# KiCad board DemoBoy.kicad_pcb (continued)
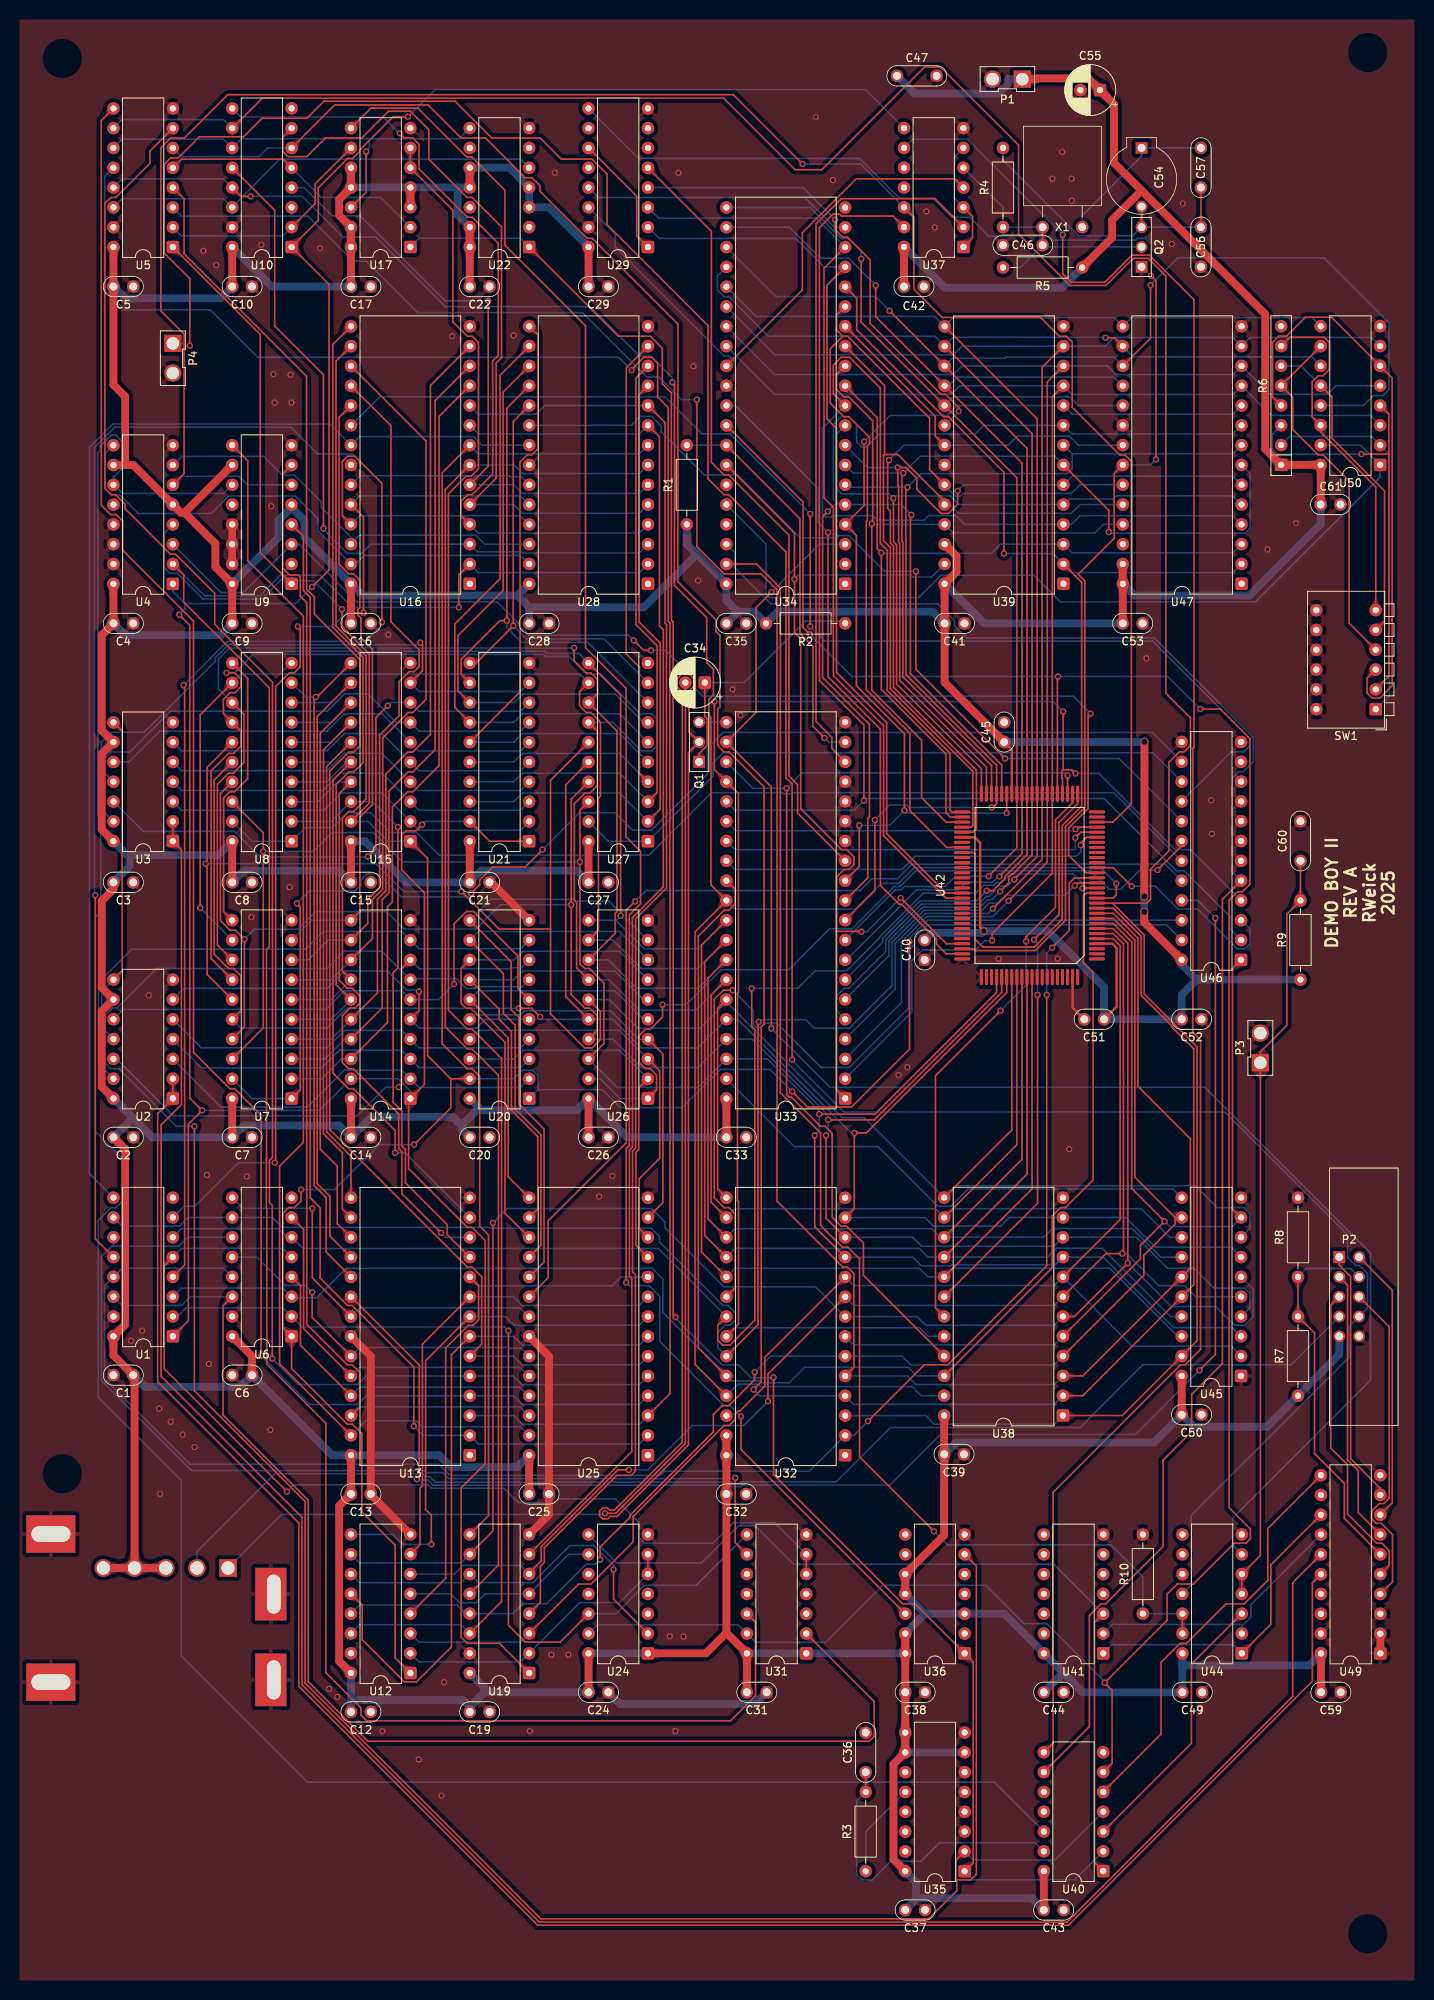
[diagram p0: board, top side]
## Nets (continued)
/RAM0-3.A10: U1.9 U16.21 U28.21
/RAM0-3.A11: U1.12 U16.23 U28.23
/RAM0-3.A12: U4.4 U16.2 U28.2
/RAM0-3.CE2: U4.7 U16.26 U28.26
/RAM0-3.~{WE}: U4.9 U16.27 U28.27
/RAM0.D0: U7.2 U14.18 U16.11
/RAM0.D1: U7.3 U14.17 U16.12
/RAM0.D2: U7.4 U14.16 U16.13
/RAM0.D3: U7.5 U14.15 U16.15
/RAM0.D4: U7.6 U14.14 U16.16
/RAM0.D5: U7.7 U14.13 U16.17
/RAM0.D6: U7.8 U14.12 U16.18
/RAM0.D7: U7.9 U14.11 U16.19
/RAM0.~{CE1}: U16.20 U46.16
/RAM1-2.A0: U12.4 U13.10 U25.10
/RAM1-2.A1: U12.7 U13.9 U25.9
/RAM1-2.A2: U12.9 U13.8 U25.8
/RAM1-2.A3: U12.12 U13.7 U25.7
/RAM1-2.A4: U5.4 U13.6 U25.6
/RAM1-2.A5: U5.7 U13.5 U25.5
/RAM1-2.A6: U5.9 U13.4 U25.4
/RAM1-2.A7: U5.12 U13.3 U25.3
/RAM1-2.A8: U6.4 U13.25 U25.25
/RAM1-2.A9: U6.7 U13.24 U25.24
/RAM1-2.A10: U6.9 U13.21 U25.21
/RAM1-2.A11: U6.12 U13.23 U25.23
/RAM1-2.A12: U9.4 U13.2 U25.2
/RAM1-2.CE2: U9.7 U13.26 U25.26
/RAM1-2.~{WE}: U9.9 U13.27 U25.27
/RAM1.D0: U20.18 U25.11 U26.2
/RAM1.D1: U20.17 U25.12 U26.3
/RAM1.D2: U20.16 U25.13 U26.4
/RAM1.D3: U20.15 U25.15 U26.5
/RAM1.D4: U20.14 U25.16 U26.6
/RAM1.D5: U20.13 U25.17 U26.7
/RAM1.D6: U20.12 U25.18 U26.8
/RAM1.D7: U20.11 U25.19 U26.9
/RAM1.~{CE1}: U25.20 U46.20
/RAM2.D0: U8.2 U13.11 U15.18
/RAM2.D1: U8.3 U13.12 U15.17
/RAM2.D2: U8.4 U13.13 U15.16
/RAM2.D3: U8.5 U13.15 U15.15
/RAM2.D4: U8.6 U13.16 U15.14
/RAM2.D5: U8.7 U13.17 U15.13
/RAM2.D6: U8.8 U13.18 U15.12
/RAM2.D7: U8.9 U13.19 U15.11
/RAM2.~{CE1}: U13.20 U46.21
/RAM3.D0: U21.18 U27.2 U28.11
/RAM3.D1: U21.17 U27.3 U28.12
/RAM3.D2: U21.16 U27.4 U28.13
/RAM3.D3: U21.15 U27.5 U28.15
/RAM3.D4: U21.14 U27.6 U28.16
/RAM3.D5: U21.13 U27.7 U28.17
/RAM3.D6: U21.12 U27.8 U28.18
/RAM3.D7: U21.11 U27.9 U28.19
/RAM3.~{CE1}: U28.20 U46.17
/RAM.A0.EN: U12.2 U19.2 U24.5 U24.6
/RAM.A1.EN: U12.5 U19.5 U24.9
/RAM.A2.EN: U12.11 U19.11 U24.2
/RAM.A3.EN: U12.14 U17.5 U17.6 U19.14
/RAM.A4.EN: U5.2 U10.2 U17.9
/RAM.A5.EN: U5.5 U10.5 U17.2
/RAM.A6.EN: U5.11 U10.11 U17.12 U22.8
/RAM.A7.EN: U5.14 U10.14 U22.5
/RAM.A8.EN: U1.2 U6.2 U24.12 U31.8
/RAM.A9.EN: U1.5 U6.5 U31.5 U31.6
/RAM.A10.EN: U1.11 U6.11 U31.9
/RAM.A11.EN: U1.14 U6.14 U31.2
/RAM.A12.EN: U4.2 U9.2 U31.12
/RAM.~{WE}.EN: U4.11 U9.11 U40.12
/S.Gameboy: U40.5 U49.11
/ST.Gameboy: U41.1 U44.1 U49.13
/System.Reset: C60.1 P3.1 R9.2 U44.4 U44.5
/U17.CP0: U17.8 U36.12
/Video_Out: Q1.3 U33.21
/~{IRQ}: U24.13 U31.13 U34.32 U40.6 U42.35
/~{NMI}: R1.2 U33.19 U34.33
/~{Reset}: U33.22 U34.3 U44.6
/~{ROMSEL}: U29.9 U42.78 U47.22
Net-(C36-Pad1): C36.1 R3.2 U40.13
Net-(C54-Pad1): C54.1 C57.1 X1.2
Net-(Q1-E): C34.1 Q1.1 R2.2
Net-(Q2-B): C54.2 C56.1 C57.2 Q2.3 R4.2
Net-(Q2-C): C46.1 Q2.2 R4.1 R5.2 U37.5 X1.1
Net-(R6-R1): R6.2 SW1.1 U50.2
Net-(R6-R2): R6.3 SW1.2 U50.4
Net-(R6-R3): R6.4 SW1.3 U50.6
Net-(R6-R4): R6.5 SW1.4 U50.10
Net-(R6-R5): R6.6 SW1.5 U50.12
Net-(R6-R6): R6.7 SW1.6 U50.14
Net-(U24-Cp0): U24.8 U40.1 U41.3
Net-(U29A-E): U29.1 U29.11
Net-(U37-Pad1): U37.1 U37.3 U37.6
Net-(U37-Pad9): U37.9 U40.8
Net-(U40-Pad3): U40.3 U44.3

Pads without a net: R6 8; U4 12; U9 12; U13 1; U16 1; U22 2 6 9 12; U24 3 4 10 11; U25 1; U28 1; U29 6 7 10 12; U31 3 4 10 11; U32 1 26; U34 1 2 35 37; U35 11 13 14 15; U36 2 4 5 8 9; U37 10 11; U39 1; U40 10 11; U41 4 5 6 8 9 10 11 12 13; U42 1 2 3 20 21 22 23 24 29 30 57 60 61 62 63 64 65 66 69 70 71 72 73 74 75 76 82 83 92 93 94 95 96 97 98 100; U44 8 9 10; U47 1 26; U49 12 17 18

## Via types
v1: diameter 1, hole 0.8, Top to Bottom, 3 vias
v2: diameter 1, hole 0.7, Top to Bottom, 1 via
v3: diameter 0.8, hole 0.5, Top to Bottom, 236 vias

## Routing (per net, layer and track width the routed paths; a pad name or vN(x,y) marks a point on that pad's centre or on a via; arc(x,y) is an arc through that point)
/+5V: length 1492.7
  Top w0.3: 127.83,153.32 127.83,158.37 126.85,159.34 ; U42.56 123.06,147.12 123.77,146.41 123.77,135.56 v2(124.24,135.09) ; C51.1 141.28,125.39 141.28,132.92 140.73,133.47 138.75,133.47
  Top w1: U22.11 U22.10 ; 15.26,53.78 15.26,77.97 C1.1 12.56,80.68 U1.16 14.06,84.62 14.06,107.14 C2.1 ; U24.1 88.58,42.46 91.21,45.09 ; 21.68,188.74 21.22,188.74 U4.5 15.1,194.86 14.06,194.86 ; 21.68,188.74 U9.10 ; 21.68,188.74 25.64,184.78 25.64,181.78 U9.16 C9.1 ; 14.06,194.86 U4.10 ; 14.06,194.86 14.06,203.64 12.56,205.15 C5.1 U5.16 ; U15.20 C15.1 ; U21.20 C21.1 ; v1(144.82,139.53) 144.82,140.32 144.82,140.32 144.82,143.35 144.84,143.37 v1(144.84,159.38) ; C24.1 U24.14 ; RF1.3 RF1.4 RF1.5 ; C16.1 U16.28 ; 144.47,230.08 140.7,226.31 140.7,224.04 R5.1 ; 144.47,230.08 140.94,233.61 140.94,241.15 C55.1 137.63,244.45 131.07,244.45 130.97,244.35 P1.1 ; 144.47,230.08 160.35,214.2 160.35,196.92 R6.1 U50.16 C61.1 ; U49.20 C59.1 ; C31.1 U31.14 91.21,45.09 ; U17.10 U17.11 41.52,228.93 41.52,226.89 43.04,225.37 U17.14 C17.1 ; C6.1 30.34,80.58 U6.16 ; U35.16 112.65,16.03 112.65,28.25 U35.10 U35.9 C38.1 U36.14 U36.13 ; U4.16 C4.1 11.06,173.05 11.06,160.82 U3.9 11.05,157.81 11.05,148.13 U3.14 ; U40.14 C43.1 ; 91.21,45.09 C32.1 U32.28 U32.27 ; U17.4 U17.3 ; 58.28,225.37 U22.14 C22.1 ; U47.27 U47.28 C53.1 ; U2.14 11.06,115.12 11.06,124.82 U2.9 11.06,127.82 11.06,138.96 12.56,140.46 C3.1 ; 126.85,159.34 119.21,166.99 C41.1 U39.28 120.73,181.15 120.73,183.19 U39.26 ; U46.24 144.82,136.2 v1(144.82,137.56) ; U14.20 C14.1 ; U45.20 C50.1 ; U25.28 C25.1 ; U33.40 C33.1 ; U7.20 C7.1 ; U12.16 41.52,41.45 41.52,61.37 C13.1 U13.28 ; U26.20 C26.1 ; U38.24 C39.1 119.15,57.61 U36.10 U36.11 ; U37.14 C42.1 ; U8.20 C8.1 ; C27.1 U27.20 ; U29.16 C29.1 ; U10.16 C10.1
  Bottom w1: 58.28,35.6 60.15,37.47 ; 58.28,35.6 C19.1 ; 58.28,35.6 57.41,36.46 43.04,36.46 ; 60.15,37.47 60.15,38.06 U19.16 ; 60.15,37.47 C24.1 ; C41.1 117.71,176.05 97.79,176.05 R2.1 94.79,176.05 92.65,176.05 ; 151.57,128.86 149.63,126.92 C52.1 C51.1 139.67,127.89 132.47,135.09 v2(124.24,135.09) 124.01,134.87 117.56,134.87 C40.1 ; 151.57,128.86 149.63,130.8 U46.24 ; 151.57,128.86 R9.1 ; 134.43,39.97 C44.1 ; 134.43,39.97 136.93,37.47 C49.1 149.72,40.92 ; 134.43,39.97 U41.14 126.86,47.54 U36.3 116.7,47.54 ; 35.39,189.41 37.06,187.74 37.06,185.6 U16.28 44.54,178.13 64.4,178.13 ; 35.39,189.41 35.42,189.44 U9.5 ; 35.39,189.41 33.75,187.77 33.75,185.57 U9.16 ; 65.91,176.62 80.62,176.62 87.42,183.42 ; 65.91,176.62 C28.1 ; 65.91,176.62 64.4,178.13 ; 92.65,176.05 92.65,175.99 C35.1 ; 92.65,176.05 91.21,177.5 U34.40 87.42,183.42 ; U3.14 14.61,144.56 ; 14.61,144.56 14.61,143.4 C3.1 ; 14.61,144.56 14.89,144.83 26.02,144.83 U8.20 ; U35.10 U35.7 ; U15.20 44.83,146.61 50.1,141.34 C21.1 59.79,142.85 72.01,142.85 C27.1 ; 64.4,178.13 U28.28 ; U35.16 115.55,13.13 115.55,11.05 ; C4.1 14.06,173.04 26.29,173.04 C9.1 ; C17.1 32.87,217.75 U10.16 ; C37.1 115.55,10.93 115.55,11.05 ; U31.14 U31.1 U36.14 ; 149.72,40.92 165.97,40.92 U49.20 ; 149.72,40.92 U44.14 ; 56.73,230.45 56.73,226.92 58.28,225.37 ; 56.73,230.45 U17.4 U17.11 ; 56.73,230.45 U22.11 ; 87.42,183.42 86.13,184.71 R1.1 ; U25.28 64.36,66.33 55.9,66.33 54.36,67.87 U13.28 40.61,67.87 C6.1 28.84,76.64 16.6,76.64 C1.1 ; 59.48,112.41 57.21,110.14 ; 59.48,112.41 U20.20 ; 59.48,112.41 59.78,112.11 72.01,112.11 U26.20 78.49,108.64 C33.1 ; 57.21,110.14 57.21,109.7 C20.1 ; 57.21,110.14 56.09,111.27 45.66,111.27 C14.1 41.52,110.16 29.31,110.16 C7.1 17.54,108.64 15.05,111.13 ; v1(144.84,159.38) 144.81,159.34 126.85,159.34 ; C53.1 124.29,174.55 U39.28 ; U12.16 43.04,36.46 ; 43.04,36.46 C12.1 ; C39.1 120.65,69.48 146.05,69.48 C50.1 151.17,71.52 160.57,71.52 R7.1 169.85,80.8 169.85,83.12 ; 15.05,111.13 U2.14 ; 15.05,111.13 C2.1 ; C5.1 14.06,216.25 26.3,216.25 C10.1 ; 115.55,11.05 130.42,11.05 C43.1 ; C47.1 115.37,242.5 126.08,242.5 127.37,243.79 127.37,244.35 P1.1 ; U47.28 143.58,178.12 158.29,178.12 167.47,187.29 C61.1 ; 116.7,47.54 U36.13 ; 116.7,47.54 U36.11 ; U24.1 U24.14 ; U37.14 119.24,217.59 134.26,217.59 R5.1 ; U22.10 63.36,232.99 U22.4 U22.3 68.43,227.91 U29.16 ; v1(144.82,137.56) v1(144.82,139.53) ; C15.1 41.53,142.84 29.3,142.84 C8.1
/GND: length 329.5
  Top w0.2: 85.54,165.75 85.54,69.53 76.82,60.82 76.21,60.82 75.91,61.12 75.33,61.12 74.92,60.71 74.92,60.13 75.33,59.72 75.98,59.72 76.28,60.02 77.16,60.02 86.34,69.2 86.34,157.97 Q1.2 86.39,160.65 86.39,165.86 87.04,166.5 87.04,167.42 86.39,168.06 85.48,168.06 84.84,167.42 84.84,166.45 85.54,165.75
  Top w0.3: C51.2 135.63,125.28 U42.99
  Top w1: 175.12,44.99 U49.1 ; U20.10 61.03,141.34 C21.2 ; U25.22 68.44,80.57 C25.2 68.44,60.25 U19.8 ; U9.13 U9.14 U9.15 ; U12.8 45.58,62.79 C13.2 45.58,80.57 U13.22
  Bottom w1: C31.2 94.86,35.96 77.57,35.96 C24.2
  vias: v3(14.82,82.55) v3(16.23,83.84) v3(17.1,126.84) v3(18.43,73.85) v3(18.53,62.92) v3(19.9,72.17) v3(21.44,70.51) v3(22.97,68.91) v3(24.08,222.34) v3(24.55,103.81) v3(24.8,79.58) v3(25.73,220.51) v3(29.68,103.64) v3(30.24,136.88) v3(31.54,223.11) v3(32.69,71.13) v3(32.8,189.57) v3(33.08,206.51) v3(33.23,202.87) v3(35.16,140.72) v3(35.28,206.43) v3(35.4,202.87) v3(39.06,222.65) v3(40.23,37.9) v3(41.28,36.87) v3(47.06,32.49) v3(47.83,173.11) v3(51.74,28.85) v3(54.64,24.21) v3(54.98,38.76) v3(56.01,211.39) v3(63.9,211.48) v3(65.99,32.5) v3(68.76,42.28) v3(69.19,232.35) v3(70.93,42.28) v3(74.86,101.04) v3(76.57,103.67) v3(83.93,44.65) v3(84.64,32.49) v3(85.06,232.33) v3(85.73,44.62) v3(86.98,207.54) v3(87.57,180.04) v3(92.01,166.09) v3(92.99,162.78) v3(102.69,239.5) v3(104.88,231.4) v3(113.28,116.63) v3(114.42,117.64) v3(116.87,227.38) v3(117.94,225.33) v3(126.13,131.53) v3(133.03,231.59) v3(133.71,131.55) v3(134.28,235.01) v3(135.2,107.13) v3(135.48,231.59) v3(135.52,228.75) v3(145.11,170.07) v3(148.35,223.2) v3(149.77,228.39) v3(153.41,151.86) v3(153.5,147.57) v3(160.64,184.03) v3(164.29,187.41)
/!(ST&CP).Gameboy: length 274.6
  Top w0.2: U22.1 77.35,211.38 81.45,211.38 82.98,209.84 82.98,205.28 84.14,204.12 84.14,174.99 84.37,174.76 84.37,85.87 v3(84.68,85.56) ; U35.1 122.88,15.62 122.88,41.36 U36.1 115.43,48.81 113.83,48.81 97.25,65.39 v3(97.25,77.87)
  Bottom w0.2: U22.1 64.79,223.94 51.77,223.94 U17.1 ; v3(97.25,77.87) 97.18,77.8 94.39,77.8 92.72,79.47 90.64,79.47 84.68,85.44 v3(84.68,85.56) ; U40.2 135.91,13.42 122.87,13.42 U35.1
/!RAM.~{WE}.EN: length 12.3
  Bottom w0.2: U35.12 109.08,19.6 R3.1
/CHR.A10: length 180.3
  Top w0.2: v3(136.89,140.57) 136.9,140.56 137.28,140.56 137.33,140.62 138.75,140.62 ; v3(94.45,127.76) 94.45,122.85 94.85,122.45 94.85,85.19 91.65,81.99 90.71,81.99 90.09,82.61 90.09,84.53 U32.21
  Bottom w0.2: U32.21 82.48,94.38 36.86,94.38 U6.6 34.85,95.82 33.74,96.92 21.28,96.92 U1.6 ; v3(94.45,127.76) 100.39,127.76 102.61,129.98 106.6,129.98 110.85,134.22 110.85,134.31 116.49,139.96 123.22,139.96 124.22,140.96 125.56,140.96 125.86,141.27 126.46,141.27 127.61,142.41 135.68,142.41 136.89,141.21 v3(136.89,140.57)
/CHR.A11: length 193.1
  Top w0.2: v3(135.89,140.92) 136.24,141.27 138.75,141.27 ; v3(95.34,123.44) 95.27,123.37 95.27,84.63 U32.23
  Bottom w0.2: v3(95.34,123.44) 95.62,123.73 101.4,123.73 102.5,122.63 106.96,122.63 112.45,128.13 112.45,133.64 112.86,134.04 112.86,134.05 116.56,137.76 124.02,137.76 124.93,138.66 125.95,138.66 126.97,139.68 134.65,139.68 v3(135.89,140.92) ; U32.23 90.1,81.68 90.1,83.61 91.03,84.55 91.68,84.55 92.36,85.23 92.36,86.13 91.4,87.09 90.74,87.09 82.63,95.2 82.63,95.9 81.57,96.97 60.96,96.97 60.84,97.09 34.23,97.09 32.96,98.36 U6.10 22.14,98.36 21.03,97.25 13.67,97.25 U1.10
/CHR.A12: length 220.9
  Top w0.2: v3(132.31,126.91) 132.31,92.17 119.62,79.48 116.62,79.48 v3(109.37,72.23) ; 138.75,141.92 135.88,141.92 135.19,141.23 135.19,135.16 v3(132.99,132.96)
  Bottom w0.2: v3(132.31,126.91) 132.31,132.28 v3(132.99,132.96) ; U6.13 26.69,91.84 13.66,91.84 U1.13 11.42,89.61 11.42,77.68 22.4,66.71 54.32,66.71 55.74,65.29 82.72,65.29 83.26,65.83 101.87,65.83 U32.2 107.55,70.41 v3(109.37,72.23)
/CHR.A13: length 157.3
  Top w0.2: v3(137.93,162.98) 137.61,162.66 137.61,150.79 137.4,150.58 137.38,150.58 135.12,148.31 135.12,144.81 137.36,142.57 139.48,142.57 ; v3(81.54,171.09) 80.6,171.09 v3(79.32,172.37)
  Bottom w0.2: v3(81.54,171.09) 83.42,171.09 87.12,167.39 87.12,166.28 88.18,165.22 135.7,165.22 v3(137.93,162.98) ; U4.3 26.37,178.5 29.22,178.5 U9.3 36.38,184.7 43.77,177.31 61.78,177.31 64.56,174.53 64.56,174.34 65.86,173.03 78.65,173.03 v3(79.32,172.37)
/CHR.A14: length 27
  Top w0.2: 139.48,143.22 140.83,143.22 143.22,140.83 v3(143.22,140.83)
  Bottom w0.2: U46.3 158.4,135.33 158.4,133.47 157.75,132.82 156.77,132.82 151.68,137.92 149.17,137.92 146.25,140.83 v3(143.22,140.83)
/CHR.ROM.~{CE}: length 119.4
  Top w0.2: v3(92.04,127.51) 90.81,127.51 89.65,126.35 89.65,100.88 90.91,99.62 91.56,99.62 92.33,98.85 92.33,89.32 U32.20
  Bottom w0.2: U46.23 147.68,135.89 117.02,135.89 115.4,134.27 115.4,133.46 114.59,132.65 114.59,125.22 106.97,117.6 103.36,117.6 97.66,123.29 96.18,123.29 95.63,122.74 95.05,122.74 94.64,123.15 94.64,124.91 v3(92.04,127.51)
/CIRAM.A10: length 74.8
  Top w0.2: U42.32 135.63,151.55 133.43,149.35 133.43,138.14 129.67,134.38 v3(129.67,133.76) ; v3(126.39,124.89) 118.03,116.53 118.03,86.78 U38.19
  Bottom w0.2: v3(126.39,124.89) 129.67,128.17 v3(129.67,133.76)
/CIRAM.~{CE}: length 72
  Top w0.2: v3(130.67,133.99) 133.9,137.21 133.9,149.04 136.28,151.42 U42.31 ; v3(131.13,126.91) 131.13,100.18 U38.18
  Bottom w0.2: v3(131.13,126.91) 131.13,133.53 v3(130.67,133.99)
/CP.Gameboy: length 35.3
  Bottom w0.2: 157.34,46.17 U44.2 ; 157.34,46.17 140.73,46.17 U41.2 ; 157.34,46.17 157.56,46.17 158.51,47.12 158.51,48.7 U49.14
/CPU.A0: length 133
  Top w0.2: v3(114.05,150.56) 114.05,160.38 107.89,166.55 107.89,185.81 U34.4 108.87,189.67 v3(108.87,197.86) ; v3(127.17,150.23) 127.18,150.23 U42.45 ; v3(108.24,148.66) 108.24,143.35 U33.12
  Bottom w0.2: v3(108.87,197.86) 112.23,201.22 119.56,201.22 120.31,201.96 120.31,202.08 120.72,202.49 U39.10 135.56,201.38 156.2,201.38 U47.10 ; v3(108.24,148.66) 108.26,148.64 112.14,148.64 v3(114.05,150.56) 114.39,150.23 v3(127.17,150.23)
/CPU.A1: length 174.5
  Top w0.2: U42.46 126.53,156.4 114.81,168.11 114.81,188.36 v3(114.94,188.48) ; v3(104.22,188.92) 103.55,188.25 103.55,167.62 109.56,161.6 109.56,149.81 109.36,149.6 109.36,141.93 U33.11
  Bottom w0.2: v3(114.94,188.48) 113.62,189.79 U34.5 105.68,189.79 105.39,190.08 ; U47.9 156.2,198.84 135.56,198.84 U39.9 124.24,199.95 123.12,198.84 110.84,198.84 109.15,197.15 108.59,197.15 107.93,197.82 107.93,200.06 106.92,201.07 105.97,201.07 104.93,200.03 104.93,190.54 105.39,190.08 ; 105.39,190.08 v3(104.22,188.92)
/CPU.A2: length 132.6
  Top w0.2: v3(110.26,149.35) 110.26,140.29 U33.10 ; v3(114.44,192.01) 114.23,191.81 114.23,185.22 114.25,185.21 114.25,167.97 125.88,156.35 125.88,151.41 125.5,151.03 125.32,151.03 v3(125.24,150.95)
  Bottom w0.2: 135.56,196.29 135.56,194.39 134.94,193.77 116.19,193.77 v3(114.44,192.01) 106.76,192.01 U34.6 ; 135.56,196.29 U39.8 ; 135.56,196.29 156.19,196.29 U47.8 ; v3(110.26,149.35) 112.17,151.26 114.34,151.26 114.66,150.95 v3(125.24,150.95)
/CPU.A3: length 113.8
  Top w0.2: U39.7 140.28,189.04 v3(140.28,186.26) ; v3(113.91,193.83) 113.73,193.66 113.73,185.06 113.85,184.95 113.85,167.7 125.23,156.33 U42.48
  Bottom w0.2: v3(140.28,186.26) 140.42,186.12 157.79,186.12 158.41,186.74 158.41,193.77 U47.7 ; U39.7 133.34,195.98 116.05,195.98 v3(113.91,193.83) 107.48,193.83 U34.7
/CPU.A4: length 105.3
  Top w0.2: U42.49 124.58,156.11 113.45,167.24 113.45,184.78 113.3,184.92 113.3,192.17 113.2,192.27 113.2,194.52 ; v3(120.88,191.56) 120.88,189.84 119.7,188.66 118.74,188.66 115.64,191.76 115.64,193.16 114.26,194.54 113.22,194.54 113.2,194.52 ; 113.2,194.52 v3(113.18,194.54)
  Bottom w0.2: v3(120.88,191.56) 121.65,192.33 U39.6 135.56,193.44 156.2,193.44 U47.6 ; v3(113.18,194.54) 109.32,194.54 U34.8
/CPU.A5: length 105.2
  Top w0.2: v3(112.6,190.61) 112.65,190.56 112.65,185.01 113.05,184.61 113.05,166.78 123.93,155.9 U42.50
  Bottom w0.2: U34.9 105.34,198.84 105.34,191.81 105.99,191.15 112.06,191.15 v3(112.6,190.61) 112.89,190.89 119.95,190.89 121.05,189.79 U39.5 135.16,190.5 140.8,190.5 141.21,190.9 156.2,190.9 U47.5
/CPU.A6: length 144.4
  Top w0.2: U34.10 104.93,204.01 104.93,207.68 105.93,208.68 107,208.68 110.96,204.72 110.96,184.8 111.84,183.91 111.84,165.96 119.91,157.89 119.91,150.61 120.15,150.37 U42.51
  Bottom w0.2: U47.4 156.2,188.36 136.58,188.36 135.47,187.25 U39.4 121.79,187.25 120.66,188.38 117.15,188.38 116.54,187.77 110.56,187.77 109.98,188.36 104.92,188.36 104.76,188.19 103.94,188.19 103.52,188.61 103.52,199.56 U34.10
/CPU.A7: length 110.1
  Top w0.2: U42.52 119.93,149.72 119.38,150.27 119.38,157.79 111.08,166.08 v3(111.08,183.61) 110.56,184.14 110.56,200.92 U34.11
  Bottom w0.2: v3(111.08,183.61) 111.16,183.53 125.19,183.53 126.37,184.71 U39.3 135.56,183.6 156.2,183.6 U47.3
/CPU.A8: length 100.5
  Top w0.2: U42.53 119.38,149.07 116.25,152.19 116.25,159.58 109.86,165.98 v3(109.86,187.34) 109.98,187.46 109.98,200.54 106.92,203.59 106.28,203.59 105.34,204.54 105.34,206.46 U34.12
  Bottom w0.2: v3(109.86,187.34) 109.94,187.25 U39.25 120.31,186.15 138.47,186.15 139.57,187.25 U47.25
/CPU.A9: length 104.2
  Top w0.2: U34.13 111.5,205.06 111.5,196.21 ; 111.5,196.21 113.22,196.21 119.21,190.22 U39.24 ; 111.5,196.21 111.36,196.07 111.36,185.16 112.24,184.28 112.24,166.17 122.83,155.58 122.83,148.62 122.83,148.62 122.63,148.42 U42.54
  Bottom w0.2: U39.24 119.85,189.79 120.96,188.68 135.46,188.68 136.58,189.79 U47.24
/CPU.A10: length 106.4
  Top w0.2: v3(112.07,195.5) 111.9,195.33 111.9,189.31 112.25,188.96 112.25,184.84 112.65,184.45 112.65,166.35 123.29,155.71 123.29,148.19 122.87,147.77 U42.55 ; 106.45,212.65 118,201.1 118,198.62 U39.21
  Bottom w0.2: U47.21 136.36,197.41 135.21,198.57 128.53,198.57 127.38,197.41 U39.21 113.98,197.41 v3(112.07,195.5)
/CPU.A11: length 128.7
  Top w0.2: U39.23 117.29,194.25 117.29,200.86 106.77,211.37 106.15,211.37 ; 106.15,211.37 104.53,209.75 104.53,202.81 106.28,201.06 106.92,201.06 109.57,198.41 109.57,197.57 109.29,197.29 109.29,187.76 109.15,187.63 109.15,166.04 114.75,160.44 114.75,150.54 114.85,150.44 114.86,150.44 119.48,145.82 U42.58 ; 106.15,211.37 105.35,212.17 105.35,214.09 U34.15
  Bottom w0.2: U39.23 119.21,192.23 120.59,190.85 121.17,190.85 121.53,191.22 135.47,191.22 136.58,192.33 U47.23
/CPU.A12: length 148.3
  Top w0.2: U39.2 136.79,179.83 136.79,151.12 134.3,148.63 134.3,137.05 134.29,137.04 134.29,136.61 131.37,133.7 131.37,133.7 130.71,133.03 124.11,133.03 123.12,134.02 123.12,145 122.95,145.17 U42.59 ; U34.16 107.92,216.25 107.92,212.2 119.07,201.05 119.69,201.05 126.82,193.93 v3(126.82,183.51)
  Bottom w0.2: v3(126.82,183.51) 133.11,183.51 U39.2 135.56,181.06 156.2,181.06 U47.2
/CPU.A13: length 117.1
  Top w0.2: U34.17 104.13,217.95 104.13,200.77 105.34,199.55 105.34,186.7 105.35,186.68 105.35,185.77 105.34,185.75 105.34,168.26 111.76,161.83 111.76,147.58 119.38,139.97 U42.67
  Bottom w0.2: U34.17 103.74,220.27 100.1,223.92 82.58,223.92 U29.2
/CPU.A14: length 120.6
  Top w0.2: U34.18 103.72,220.09 103.72,190.64 104.93,189.43 104.93,186.53 104.95,186.52 104.95,185.94 104.93,185.92 104.93,167.85 111.36,161.42 111.36,147.33 119.38,139.32 U42.68
  Bottom w0.2: U29.3 82.51,226.53 102.73,226.53 U34.18
/CPU.A15: length 35
  Bottom w0.2: U34.19 105.1,225.35 101.28,229.17 74.79,229.17 U29.13
/CPU.CLK: length 45.1
  Top w0.2: U34.29 100.96,217.32 100.96,224.66 107.85,231.55 120.51,231.55 U37.4
/CPU.D0: length 194.9
  Top w0.2: U39.11 133.03,203.61 133.03,142.51 125.3,134.78 v3(125.3,133.86)
  Bottom w0.2: U33.2 115,124.71 115,131.32 116.35,132.67 123.19,132.67 124.37,133.86 v3(125.3,133.86) ; U34.28 97.4,203.92 120.06,203.92 121.17,205.03 U39.11 135.56,203.92 156.2,203.92 U47.11 161.11,201.23 173.82,201.23 U50.3
/CPU.D1: length 195.2
  Top w0.2: U39.12 132.38,205.5 132.38,143.94 v3(127.4,138.96)
  Bottom w0.2: U33.3 113.66,125.91 113.66,133.71 116.9,136.95 125.39,136.95 v3(127.4,138.96) ; 91.21,212.65 97.4,206.46 120.34,206.46 121.46,207.57 U39.12 140.09,207.57 141.2,206.46 156.2,206.46 U47.12 160.95,203.93 168.33,203.93 169.44,205.04 U50.5
/CPU.D2: length 193.9
  Top w0.2: v3(125.4,137.96) 131.73,144.29 131.73,207.39 U39.13
  Bottom w0.2: U33.4 112.86,127.65 112.86,133.48 116.73,137.35 124.79,137.35 v3(125.4,137.96) ; U34.26 97.4,209 120.34,209 121.46,210.11 U39.13 139.8,210.11 140.91,211.22 156.2,211.22 U47.13 158.42,211.23 173.98,211.23 U50.7
/CPU.D3: length 190.7
  Top w0.2: v3(128.14,141.71) 131.08,144.65 131.08,200.78 119.21,212.65
  Bottom w0.2: U34.25 95.02,213.92 117.94,213.92 119.21,212.65 120.32,213.77 140.95,213.77 142.07,212.65 143.19,213.77 166.36,213.77 U50.9 ; U33.5 105.33,124.89 105.33,126.79 106.31,127.76 106.93,127.76 111.65,132.48 111.65,133.97 112.05,134.38 112.05,134.38 112.59,134.92 112.59,134.92 113.73,136.06 113.73,136.06 115.02,137.35 115.02,137.35 116.23,138.56 123.58,138.56 124.53,139.51 124.85,139.51 125.62,140.28 125.62,140.45 126.03,140.87 127.29,140.87 v3(128.14,141.71)
/CPU.D4: length 188.9
  Top w0.2: U47.16 141,211.18 v3(139.85,211.18) ; U39.16 130.43,198.89 130.43,144.87 127.97,142.41 127.85,142.41 127.43,142 127.43,141.28 v3(126.32,140.16)
  Bottom w0.2: v3(139.85,211.18) 139.79,211.24 120.34,211.24 U39.16 117.94,211.38 96.58,211.38 91.5,216.46 90.91,216.46 90.05,217.32 90.05,219.12 U34.24 ; v3(126.32,140.16) 125.26,139.11 124.7,139.11 123.75,138.16 116.39,138.16 115.43,137.19 115.43,137.19 113.9,135.66 113.89,135.66 113,134.76 113,134.76 112.45,134.21 112.45,134.21 112.05,133.81 112.05,131.93 U33.6 ; U47.16 143.45,208.72 166.32,208.72 U50.11
/CPU.D5: length 221
  Top w0.2: U47.17 145.63,211.13 v3(145.63,217.93) ; v3(124.59,140.26) 125.37,140.26 126.93,141.81 126.93,142.06 129.78,144.91 129.78,197 U39.17 112.14,214.64 v3(112.14,214.64)
  Bottom w0.2: U50.13 172.96,202.5 174.23,203.77 175.44,203.77 176.22,204.55 176.22,213.1 167.89,221.43 149.12,221.43 v3(145.63,217.93) ; v3(112.14,214.64) 110.32,216.46 97.56,216.46 U34.23 ; v3(124.59,140.26) 123.29,138.96 116.06,138.96 114.62,137.52 114.62,137.52 113.56,136.46 113.56,136.46 112.19,135.09 112.19,135.09 111.25,134.15 111.25,133.66 U33.7 ; U39.17 120.19,208.55 126.97,208.55 127.11,208.7 140.94,208.7 U47.17
/CPU.D6: length 155
  Top w0.2: v3(110.37,217.91) 110.37,213.87 U39.18 129.13,195.11 129.13,145 v3(126.23,142.1)
  Bottom w0.2: v3(126.23,142.1) 126.13,142.1 125.39,141.36 121.97,141.36 121.01,140.4 115.62,140.4 106.63,131.4 U33.8 ; U47.18 142.03,205.03 140.92,206.14 120.88,206.14 119.77,205.03 U39.18 ; v3(110.37,217.91) 106.88,221.4 103.25,221.4 99.3,225.35 U34.22
/CPU.D7: length 155.1
  Top w0.2: v3(124.82,142.11) 128.48,145.77 128.48,193.22 U39.19 108.5,213.19 v3(108.5,221.3)
  Bottom w0.2: v3(108.5,221.3) 108.5,222.31 106.9,223.91 105.92,223.91 101.94,227.89 U34.21 ; U39.19 120.31,203.59 135.27,203.59 136.37,202.49 U47.19 ; U33.9 112.91,140.4 113.65,140.4 114.05,140.8 119.25,140.8 120.56,142.11 v3(124.82,142.11)
/CPU.Out.0: length 179.3
  Top w0.2: v3(117.84,58.11) 108.29,67.66 108.29,93.05 106.8,94.54 106.1,94.54 103.29,97.34 103.29,109.2 98.13,114.36 98.13,179.09 95.06,182.17 U34.39 ; U44.13 U44.12
  Bottom w0.2: v3(117.84,58.11) 119.59,56.36 140.56,56.36 144.64,52.28 R10.1 U44.12
/CPU.Out.1: length 224.9
  Top w0.2: U46.5 154.85,139.16 154.85,79.62 150.9,75.67 150.9,70.89 147.24,67.23 147.24,56.17 139.88,48.81 139.27,48.81 137.78,47.33 137.78,33.08 U40.9
  Bottom w0.2: U46.5 156.14,142.67 156.14,154.74 156.93,155.53 157.54,155.53 158.8,156.79 158.8,159.98 146.1,172.68 122.02,172.68 120.48,174.22 120.48,174.9 118.32,177.06 96.9,177.06 92.31,181.65 92.31,183.61 U34.38
/CPU.RAM.~{CE1}: length 60.1
  Top w0.2: v3(121.01,201.76) 121.01,202.26 119.34,203.93 118.74,203.93 109.65,213.02 109.65,221.17 106.74,224.08 106.13,224.08 105.15,225.05 v3(105.15,226.32)
  Bottom w0.2: v3(105.15,226.32) 101.03,230.44 U29.4 ; U39.20 v3(121.01,201.76)
/CPU.R~{W}: length 130.8
  Top w0.2: v3(108.52,135) 108.47,135.06 105.34,135.06 ; U42.77 119.43,133.47 v3(113.57,139.34) ; U34.34 99.94,186.14 v3(99.94,180.22) 99.94,173.4 100.74,172.6 100.74,150.79 105.99,145.54 106.64,145.54 107.57,144.61 107.57,143.63 106.94,143 106.32,143 105.34,142.02 105.34,135.06 ; 105.34,135.06 105.34,114.72 U33.1
  Bottom w0.2: v3(99.94,180.22) 100.48,180.76 114.89,180.76 115.16,180.49 117.53,180.49 U39.27 ; v3(113.57,139.34) 109.24,135 v3(108.52,135)
/CPU.~{OE1}: length 112.1
  Bottom w0.2: U50.15 172.55,197.42 U50.1 175.09,193.3 159.08,177.3 134.09,177.3 130.66,180.73 118.75,180.73 115.87,177.85 96.71,177.85 96.29,178.27 96.29,184.71 U34.36
/Gameboy.CP: length 48.7
  Top w0.2: R8.1 164.55,85.66 166.67,83.54 166.67,68.09 170.5,64.25 170.5,59.77 U49.6
  Bottom w0.2: R8.1 165.62,91.81 171.32,91.81 172.39,90.74
/Gameboy.CPL: length 35.5
  Top w0.2: U49.8 176.65,61.76 176.65,89.02 P2.2
/Gameboy.LD0: length 43.2
  Top w0.2: P2.6 176.25,84.34 176.25,62.34 175.57,61.67 174.98,61.67 174,60.69 174,59.71 174.58,59.13 175.24,59.13 176.68,57.7 176.68,51.63 U49.4
/Gameboy.LD1: length 40
  Top w0.2: 175.12,52.61 176.25,53.74 176.25,55.64 175.3,56.59 174.65,56.59 170.9,60.33 170.9,66.64 168.75,68.8 168.75,87.1 P2.5
/Gameboy.Reset: length 352.6
  Top w0.2: v3(99.64,118.6) 99.64,153.96 98.84,154.76 98.84,183.73 91.5,191.06 90.89,191.06 88.85,193.1 88.85,212.73 75.9,225.69 75.9,232.16 73.97,234.09 70.02,234.09 67.31,236.8 61.11,236.8 56.4,241.51 39.56,241.51 37.38,239.33 31.62,239.33 29.25,236.96 23.58,236.96 20.87,234.25 19.89,234.25 19.04,233.4 19.04,222.08 22.35,218.76 v3(22.35,210.15)
  Bottom w0.2: P4.1 21.58,210.46 21.89,210.15 v3(22.35,210.15) ; U44.11 150.83,51.2 150.83,60.16 171.12,80.44 171.12,84.39 P2.8 173.45,86.72 173.45,91.17 172.41,92.21 171.94,92.21 170.9,93.25 170.9,96.15 155.15,111.89 106.28,111.89 99.64,118.53 v3(99.64,118.6)
/Gameboy.S: length 32.7
  Top w0.2: U49.9 175.12,63.61 171.3,67.43 171.3,90.77 169.85,92.23 P2.1
/Gameboy.Speaker: length 162.2
  Bottom w0.2: RF1.2 23.26,55.5 33.25,65.49 52.18,65.49 52.58,65.09 53.15,65.09 53.81,64.43 91.88,64.43 92.06,64.24 92.87,64.24 93.08,64.45 105.27,64.45 112.24,71.41 136.59,71.41 144.65,79.47 163.66,79.47 P2.7
/Gameboy.ST: length 35.2
  Top w0.2: 169.85,90.74 170.9,89.69 170.9,67.26 172.28,65.88 172.28,60.52 U49.7
/LD0.Gameboy: length 256.1
  Top w0.2: U2.2 U2.1 18.23,111.67 18.23,77.3 36.35,59.18 36.35,38.23 66.99,7.59 135.09,7.59 166.4,38.89 166.4,51.51 167.5,52.61
/LD0.Q0: length 51.6
  Bottom w0.2: U20.2 64.79,115.04 51.77,115.04 U14.2 49.55,117.25 42.17,117.25 37.42,112.5 26.37,112.5 U2.3
/LD0.Q1: length 49.6
  Bottom w0.2: U20.3 64.79,117.58 51.77,117.58 U14.3 49.52,119.83 41.56,119.83 39.28,117.54 23.87,117.54 U2.4
/LD0.Q2: length 49.5
  Bottom w0.2: U2.5 23.83,120.13 39.97,120.13 42.19,122.35 49.54,122.35 U14.4 51.77,120.12 64.79,120.12 U20.4
/LD0.Q3: length 54.4
  Top w0.2: U14.5 51.76,124.87 v3(51.76,127.35)
  Bottom w0.2: U14.5 51.78,122.64 59.11,122.64 60.24,123.77 U20.5 ; v3(51.76,127.35) 51.59,127.52 50.16,127.52 47.71,129.97 42.19,129.97 39.97,127.75 21.6,127.75 U2.6
/LD0.Q4: length 71.6
  Top w0.2: U20.6 64.46,127.75 64.46,131.89 58.74,137.6 57.84,137.6 56.25,136.01 v3(56.25,128.29)
  Bottom w0.2: v3(56.25,128.29) 54.27,126.31 U14.6 49.54,127.43 42.19,127.43 39.81,125.05 13.83,125.05 U2.10
/LD0.Q5: length 63.9
  Bottom w0.2: U20.7 65,127.95 59.19,127.95 58.97,127.73 57.83,127.73 56.56,128.99 50.8,128.99 U14.7 47,132.51 42.18,132.51 39.96,130.29 18.09,130.29 13.02,125.22 12.41,125.22 11.46,124.26 11.46,122.34 U2.11
/LD0.Q6: length 74.3
  Top w0.2: v3(49.17,115.07) 49.52,115.42 49.52,130.26 U14.8
  Bottom w0.2: v3(49.17,115.07) 47.49,115.07 43.81,111.39 20.25,111.39 12.94,118.7 U2.12 ; U20.8 64.89,130.39 63.49,130.39 63.36,130.25 51.79,130.25 U14.8
/LD0.Q7: length 72.5
  Bottom w0.2: U20.9 64.79,132.82 51.77,132.82 U14.9 49.55,135.04 39.5,135.04 37.23,132.77 14.91,132.77 10.64,128.51 10.64,118.07 U2.13
/LD0.RAM0.Out.EN: length 165.5
  Top w0.2: v3(58.45,139.94) 59.55,141.03 59.55,141.65 61.2,143.3 65.39,143.3 v3(67.62,145.54) ; U7.1 36.52,114.71 36.52,138.22 v3(36.1,138.64)
  Bottom w0.2: U7.1 30.34,113.61 U7.19 ; U46.14 145.86,160.57 90.81,160.57 88.78,158.55 88.78,155.22 81.6,148.04 79.15,148.04 76.94,150.26 72.34,150.26 v3(67.62,145.54) ; v3(58.45,139.94) 57.98,139.47 49.52,139.47 46.55,142.44 45.11,142.44 44.31,141.64 44.31,141.01 43.54,140.24 37.7,140.24 v3(36.1,138.64)
/LD0.RAM1.Out.EN: length 101.7
  Top w0.2: v3(83.02,125.65) 83.02,124.08 81.44,122.5 80.82,122.5 80.01,121.69 80.01,118.24 80.83,117.42 81.45,117.42 82.24,116.63 82.24,114.72 U26.1 ; U46.18 149.63,146.03 v3(146.51,142.92)
  Bottom w0.2: v3(83.02,125.65) 86.03,125.65 90.51,130.13 99.2,130.13 104.45,135.38 107.31,135.38 112.73,140.8 113.48,140.8 115.49,142.81 137.94,142.81 140.29,140.46 141.81,140.46 144.27,142.92 v3(146.51,142.92) ; U26.19 75.02,116.15 77.56,113.61 U26.1
/LD1.Gameboy: length 291.2
  Top w0.2: U3.2 U3.1 21.28,145.52 21.28,112.84 18.67,110.23 18.67,77.99 36.75,59.91 36.75,38.44 67.2,8 134.92,8 163.87,36.95 163.87,51.53 U49.15
/LD1.Q0: length 49.5
  Bottom w0.2: U3.3 21.3,150.58 39.56,150.58 41.77,152.8 47.01,152.8 U15.2 51.77,148.04 64.79,148.04 U21.2
/LD1.Q1: length 49.5
  Bottom w0.2: U3.4 21.3,153.12 39.46,153.12 41.68,155.34 47.01,155.34 U15.3 51.77,150.58 64.79,150.58 U21.3
/LD1.Q2: length 49.5
  Bottom w0.2: U21.4 64.79,153.12 51.77,153.12 U15.4 47,157.89 42.19,157.89 39.96,155.66 21.29,155.66 U3.5
/LD1.Q3: length 49.5
  Bottom w0.2: U3.6 21.29,158.21 39.97,158.21 42.19,160.43 47,160.43 U15.5 51.77,155.66 64.79,155.66 U21.5
/LD1.Q4: length 58.3
  Bottom w0.2: U3.10 14.53,156.78 18.48,160.73 39.96,160.73 42.18,162.96 47.01,162.96 U15.6 51.79,158.18 64.77,158.18 U21.6
/LD1.Q5: length 63.8
  Bottom w0.2: U3.11 11.43,155.36 11.43,157.24 12.24,158.05 14.67,158.05 19.91,163.29 39.97,163.29 42.19,165.51 45.21,165.51 48.87,161.85 U15.7 51.77,160.74 64.79,160.74 U21.7
/LD1.Q6: length 75.2
  Top w0.2: v3(47.76,164) 46.24,162.48 46.24,145.69 v3(45.2,144.65)
  Bottom w0.2: v3(45.2,144.65) 45.14,144.6 31.37,144.6 28.09,147.88 16.38,147.88 U3.12 ; U21.8 64.79,163.28 51.77,163.28 U15.8 48.15,164.39 v3(47.76,164)
/LD1.Q7: length 79.4
  Top w0.2: U15.9 52.21,168.48 52.21,171.81 v3(51.93,172.09)
  Bottom w0.2: U15.9 51.77,165.82 64.79,165.82 U21.9 ; U3.13 11.01,150.71 11.01,159.34 12.26,160.59 16.51,160.59 25.63,169.71 25.63,170.13 27.38,171.89 27.71,171.89 27.79,171.81 51.64,171.81 v3(51.93,172.09)
/LD1.RAM2.Out.EN: length 133.7
  Bottom w0.2: U46.19 140.9,152.83 99.64,152.83 99.53,152.71 98.54,152.71 98.42,152.83 89.28,152.83 81.29,144.83 54.35,144.83 51.46,147.73 48.09,147.73 45.56,150.26 42.59,150.26 40.7,148.37 37.17,148.37 U8.1 30.34,146.61 U8.19
/LD1.RAM3.Out.EN: length 84.4
  Bottom w0.2: U46.15 145.94,157.94 90.77,157.94 89.49,156.67 89.49,154.97 U27.1 76.06,146.61 U27.19
